# Altium PCB precursor_pvt2b.PcbDoc (part 7 of 7) (continued)
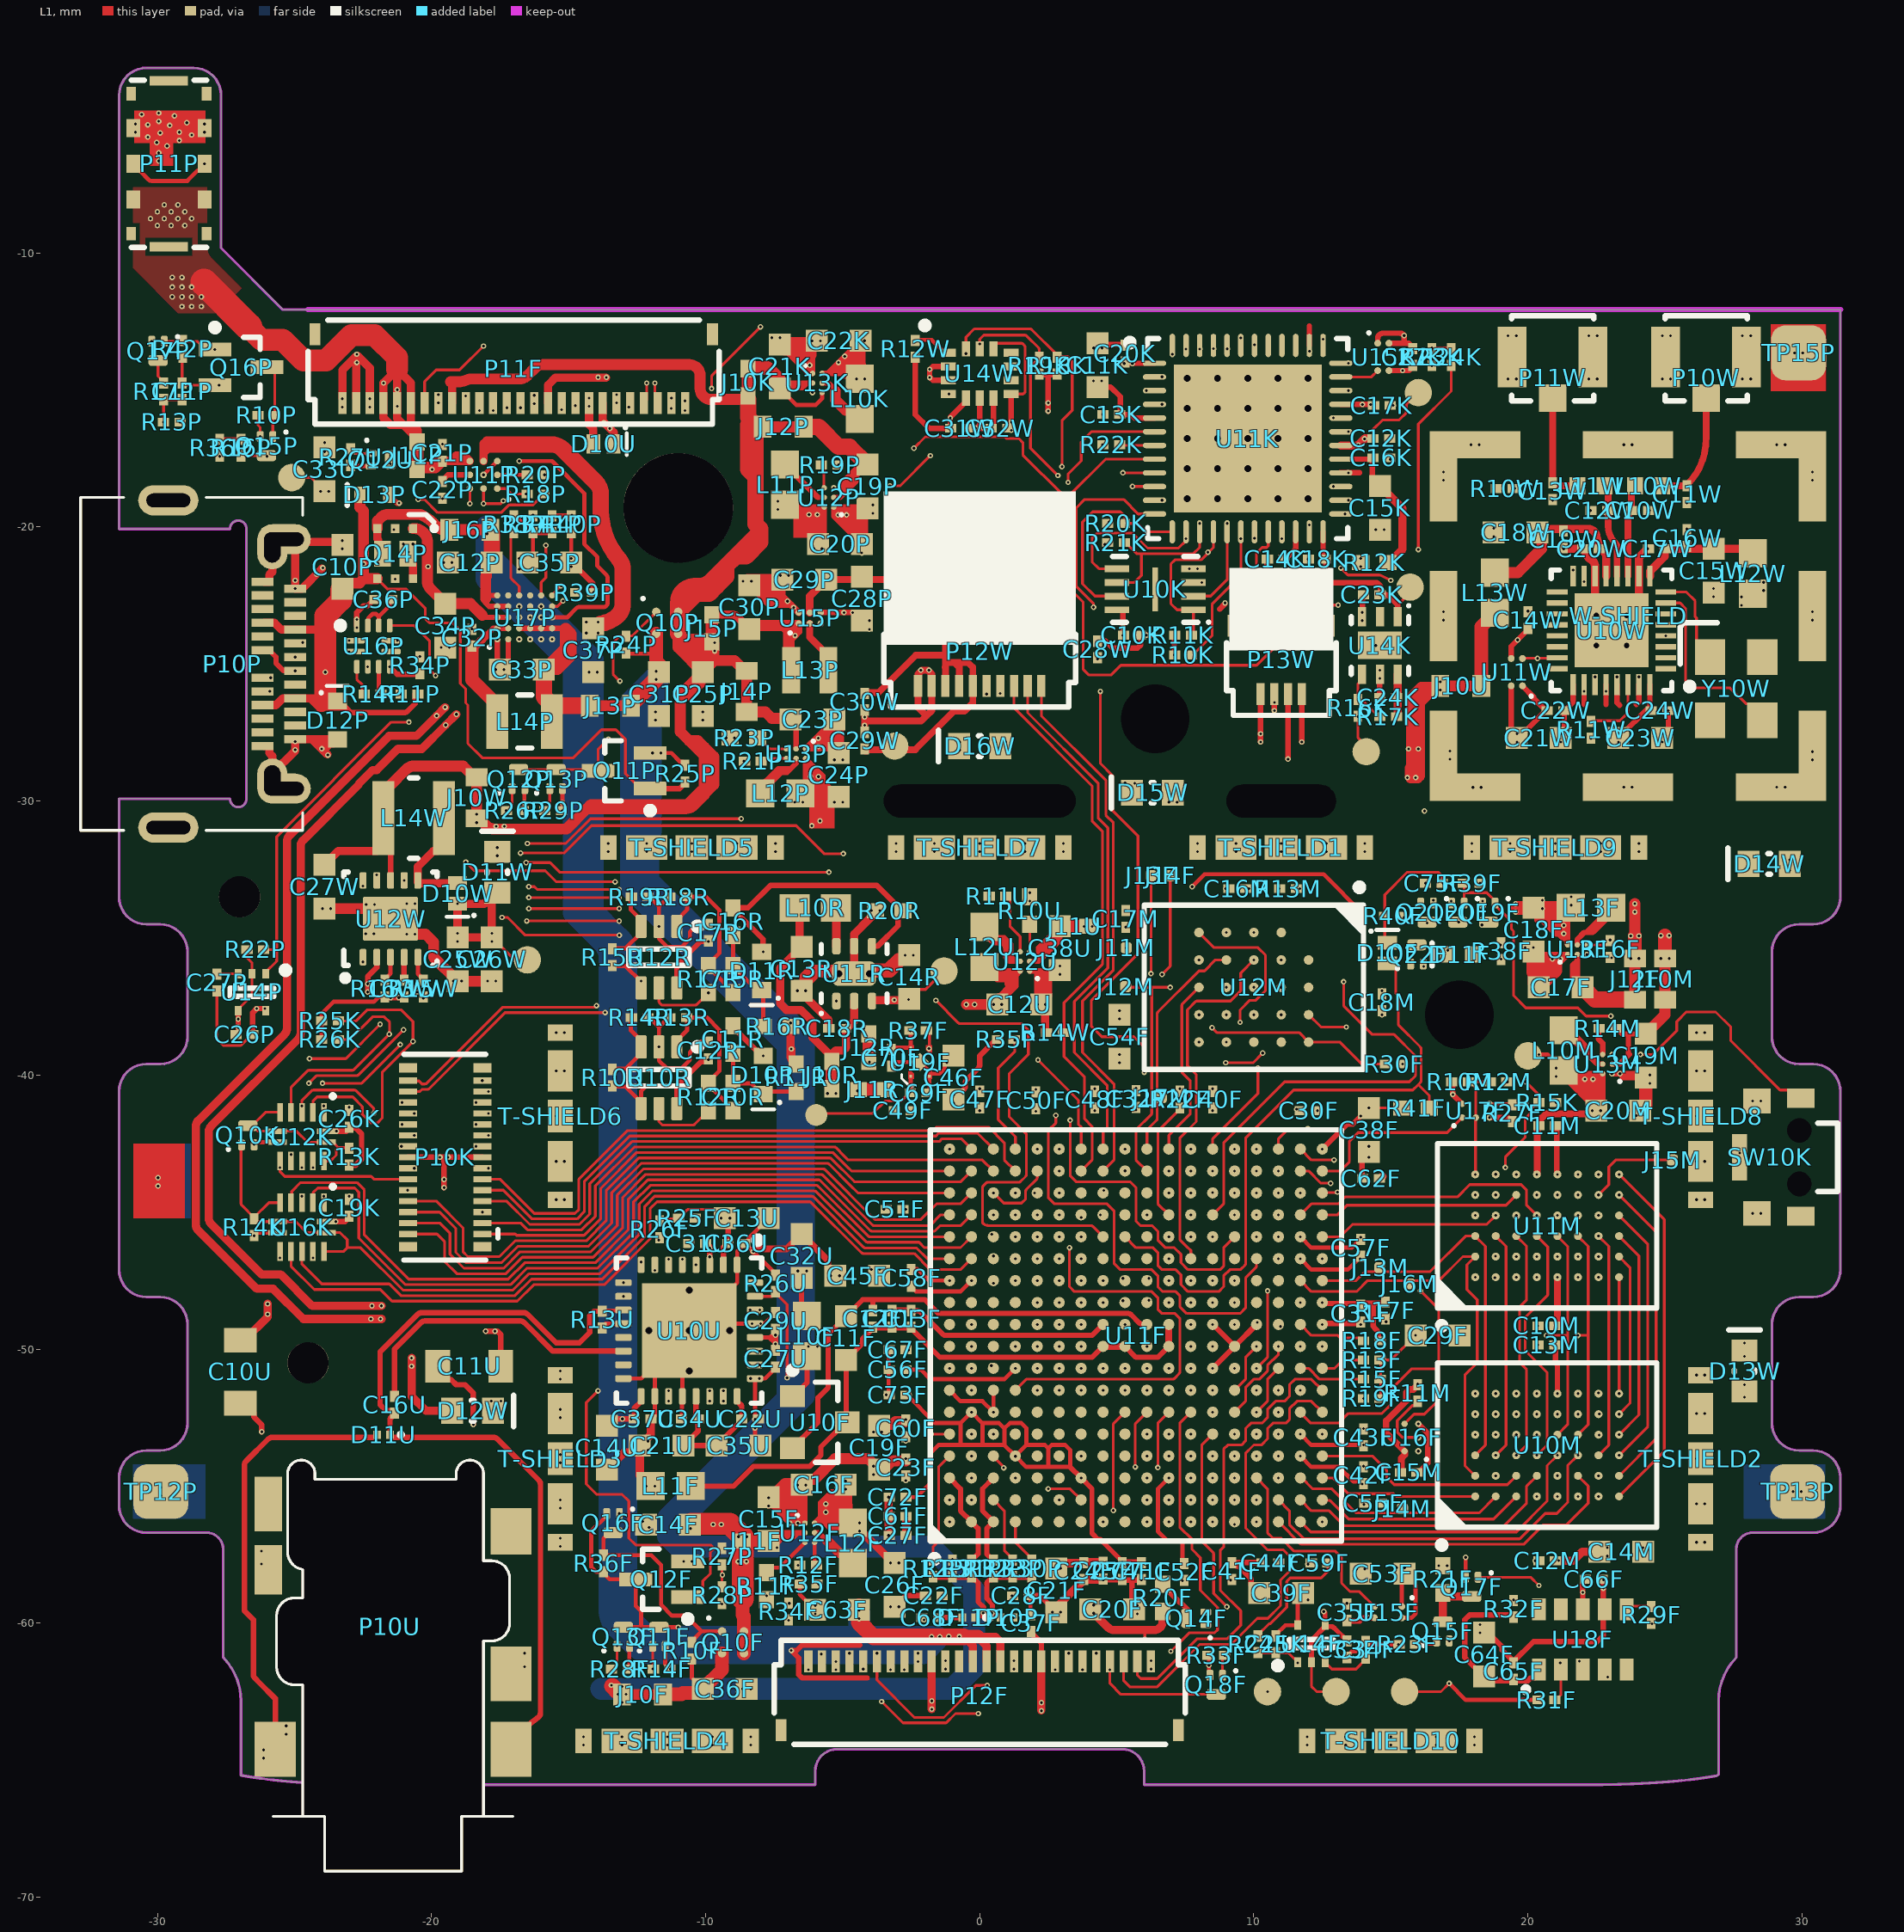
[diagram p0: L1 view]
## Polygon pours and split planes (outlines as drawn) (continued)
P0.95V_T on L6 (split plane): 9.198,-47.717 9.198,-48.2 9.206,-48.239 9.228,-48.272 9.328,-48.372 9.361,-48.394 9.4,-48.402 9.858,-48.402 9.998,-48.542 9.998,-48.858 9.578,-49.278 9.556,-49.311 9.548,-49.35 9.548,-51.733 9.058,-52.223 8.65,-52.223 8.611,-52.231 8.578,-52.253 6.833,-53.998 3.3,-53.998 3.261,-54.006 3.228,-54.028 2.828,-54.428 2.806,-54.461 2.798,-54.5 2.798,-56 2.806,-56.039 2.828,-56.072 4.123,-57.367 4.123,-58.5 4.123,-58.825 4.131,-58.864 4.153,-58.897 4.473,-59.217 4.473,-59.708 4.358,-59.823 3.617,-59.823 3.147,-59.353 3.114,-59.331 3.075,-59.323 -3.933,-59.323 -5.948,-57.308 -5.948,-54.692 -3.558,-52.302 -2.342,-52.302 -1.472,-53.172 -1.439,-53.194 -1.4,-53.202 0.1,-53.202 0.139,-53.194 0.172,-53.172 1.372,-51.972 1.394,-51.939 1.402,-51.9 1.402,-47.792 1.617,-47.577 9.058,-47.577
P1.2V on L6 (split plane): 12.898,-12.342 12.898,-15.3 12.906,-15.339 12.928,-15.372 13.828,-16.272 13.861,-16.294 13.9,-16.302 14.908,-16.302 15.298,-16.692 15.298,-21.058 14.658,-21.698 13.842,-21.698 13.402,-21.258 13.402,-18.5 13.394,-18.461 13.372,-18.428 12.472,-17.528 12.439,-17.506 12.4,-17.498 6.842,-17.498 4.397,-15.053 4.364,-15.031 4.325,-15.023 -1.425,-15.023 -1.464,-15.031 -1.497,-15.053 -3.242,-16.798 -6.058,-16.798 -6.998,-15.858 -6.998,-12.322 12.878,-12.322
P1.8V_SBY on L6 (split plane): 24.798,-39.4 24.798,-57.358 24.108,-58.048 20.192,-58.048 17.833,-55.689 15.352,-53.208 15.352,-51.067 16.822,-49.597 16.844,-49.564 16.852,-49.525 16.852,-42.6 16.852,-40.492 17.042,-40.302 18.8,-40.302 18.839,-40.294 18.872,-40.272 20.942,-38.202 24.798,-38.202
GND on L3 (split plane): 1334 vertices, not listed, extent -31.149,-65.648 31.149,-3.501

## Keep-outs
Keep-Out Layer:
  lines w0.1: -31.4,-4.25 -31.4,-12.05 -31.4,-20.075 -27.35,-20.075 ; -31.397,-4.25 cw(c-30.397,-4.25) -30.397,-3.25 -28.675,-3.25 ; -30.4,-53.7 ccw(c-30.4,-54.7) -31.4,-54.7 -31.4,-55.7 ccw(c-30.4,-55.7) -30.4,-56.7 -28.2,-56.7 cw(c-28.2,-57.3) -27.6,-57.3 -27.6,-61.248 cw(c-29.25,-62.85) -26.95,-62.85 ; -30.4,-53.7 -29.9,-53.7 ; -30.4,-39.602 -29.905,-39.602 -29.903,-39.6 ; -30.4,-39.6 ccw(c-30.4,-40.6) -31.4,-40.6 -31.4,-47.1 ccw(c-30.4,-47.1) -30.4,-48.1 -29.9,-48.1 cw(c-29.9,-49.1) -28.9,-49.1 -28.9,-52.7 cw(c-29.9,-52.7) -29.9,-53.7 ; -30.4,-34.5 cw(c-30.4,-33.5) -31.4,-33.5 -31.4,-29.915 -27.35,-29.915 ; -30.4,-34.5 -29.9,-34.5 ; -29.9,-39.6 ccw(c-29.9,-38.6) -28.9,-38.6 -28.9,-35.5 ccw(c-29.9,-35.5) -29.9,-34.5 ; -28.675,-3.251 cw(c-28.675,-4.251) -27.675,-4.251 -27.675,-9.825 -25.43,-12.07 -24.5,-12.07 ; -27.35,-29.923 ccw(c-27.05,-29.923) -26.75,-29.923 ; -27.35,-20.067 cw(c-27.05,-20.067) -26.75,-20.067 ; -26.95,-62.846 -26.95,-65.563 -26.895,-65.563 -26.89,-65.564 -26.885,-65.565 -26.88,-65.566 -26.875,-65.567 -26.87,-65.568 -26.865,-65.568 -26.861,-65.569 -26.856,-65.57 -26.851,-65.571 -26.846,-65.572 -26.841,-65.573 -26.836,-65.573 -26.831,-65.574 -26.826,-65.575 -26.821,-65.576 -26.816,-65.577 -26.812,-65.578 -26.807,-65.578 -26.802,-65.579 -26.797,-65.58 -26.792,-65.581 -26.787,-65.582 -26.782,-65.583 -26.777,-65.583 -26.772,-65.584 -26.767,-65.585 -26.763,-65.586 -26.758,-65.587 -26.753,-65.588 -26.748,-65.588 -26.743,-65.589 -26.738,-65.59 -26.733,-65.591 -26.728,-65.592 -26.723,-65.593 -26.719,-65.593 -26.714,-65.594 -26.709,-65.595 -26.704,-65.596 -26.699,-65.597 -26.694,-65.597 -26.689,-65.598 -26.684,-65.599 -26.679,-65.6 -26.674,-65.601 -26.67,-65.602 -26.665,-65.602 -26.66,-65.603 -26.655,-65.604 -26.65,-65.605 -26.645,-65.606 -26.64,-65.606 -26.635,-65.607 -26.63,-65.608 -26.625,-65.609 -26.62,-65.61 -26.616,-65.61 -26.611,-65.611 -26.606,-65.612 -26.601,-65.613 -26.596,-65.614 -26.591,-65.614 -26.586,-65.615 -26.581,-65.616 -26.576,-65.617 -26.571,-65.617 -26.567,-65.618 -26.562,-65.619 -26.557,-65.62 -26.552,-65.621 -26.532,-65.624 -26.522,-65.625 -26.513,-65.627 -26.503,-65.628 -26.493,-65.63 -26.483,-65.631 -26.473,-65.633 -26.463,-65.634 -26.454,-65.636 -26.444,-65.637 -26.434,-65.639 -26.424,-65.64 -26.414,-65.641 -26.404,-65.643 -26.395,-65.644 -26.385,-65.646 -26.375,-65.647 -26.365,-65.649 -26.355,-65.65 -26.345,-65.651 -26.336,-65.653 -26.326,-65.654 -26.316,-65.656 -26.306,-65.657 -26.296,-65.658 -26.286,-65.66 -26.277,-65.661 -26.267,-65.662 -26.257,-65.664 -26.247,-65.665 -26.237,-65.666 -26.227,-65.668 -26.217,-65.669 -26.208,-65.67 -26.198,-65.672 -26.188,-65.673 -26.178,-65.674 -25.991,-65.698 -25.774,-65.724 -25.744,-65.727 -25.714,-65.73 -25.685,-65.733 -25.655,-65.736 -25.626,-65.74 -25.596,-65.743 -25.571,-65.745 -25.546,-65.748 -25.522,-65.75 -25.497,-65.753 -25.472,-65.755 -25.448,-65.757 -25.423,-65.76 -25.398,-65.762 -25.373,-65.765 -25.334,-65.768 -25.294,-65.772 -25.255,-65.775 -25.215,-65.779 -25.176,-65.782 -25.136,-65.786 -25.096,-65.789 -25.057,-65.792 -25.017,-65.795 -24.977,-65.799 -24.938,-65.802 -24.898,-65.805 -24.859,-65.808 -24.819,-65.811 -24.779,-65.813 -24.74,-65.816 -24.7,-65.819 ; -26.75,-29.915 -26.75,-24.995 -26.75,-20.075 ; -18.1,-65.9 -6,-65.9 -6,-65.4 cw(c-5.2,-65.4) -5.2,-64.6 5.2,-64.6 cw(c5.2,-65.4) 6,-65.4 6,-65.9 22,-65.9 22.01,-65.9 22.015,-65.9 22.02,-65.9 22.025,-65.9 22.03,-65.9 22.035,-65.9 22.04,-65.9 22.045,-65.9 22.05,-65.9 22.055,-65.9 22.06,-65.9 22.065,-65.9 22.07,-65.9 22.075,-65.9 22.079,-65.9 22.084,-65.9 22.089,-65.9 22.094,-65.9 22.099,-65.9 22.104,-65.9 22.109,-65.9 22.114,-65.9 22.119,-65.9 22.124,-65.9 22.129,-65.899 22.134,-65.899 22.139,-65.899 22.144,-65.899 22.149,-65.899 22.154,-65.899 22.159,-65.899 22.164,-65.899 22.169,-65.899 22.174,-65.899 22.179,-65.899 22.184,-65.899 22.189,-65.899 22.194,-65.899 22.199,-65.899 22.204,-65.899 22.209,-65.899 22.214,-65.899 22.219,-65.899 22.224,-65.899 22.229,-65.899 22.233,-65.899 22.238,-65.899 22.243,-65.899 22.248,-65.899 22.253,-65.899 22.258,-65.899 22.263,-65.899 22.268,-65.899 22.273,-65.899 22.278,-65.899 22.283,-65.899 22.288,-65.899 22.293,-65.899 22.298,-65.899 22.303,-65.899 22.308,-65.899 22.313,-65.899 22.318,-65.899 22.323,-65.899 22.328,-65.899 22.333,-65.898 22.338,-65.898 22.343,-65.898 22.348,-65.898 22.353,-65.898 22.358,-65.898 22.363,-65.898 22.368,-65.898 22.373,-65.898 22.378,-65.898 22.383,-65.898 22.387,-65.898 22.392,-65.898 22.397,-65.898 22.402,-65.898 22.407,-65.898 22.412,-65.898 22.417,-65.898 22.422,-65.898 22.427,-65.898 22.432,-65.898 22.437,-65.898 22.442,-65.898 22.447,-65.898 22.452,-65.898 22.457,-65.898 22.462,-65.898 22.467,-65.898 22.472,-65.898 22.477,-65.897 22.482,-65.897 22.487,-65.897 22.492,-65.897 22.497,-65.897 22.502,-65.897 22.512,-65.897 22.522,-65.897 22.532,-65.897 22.541,-65.897 22.551,-65.897 22.561,-65.897 22.571,-65.897 22.581,-65.897 22.591,-65.896 22.601,-65.896 22.611,-65.896 22.621,-65.896 22.631,-65.896 22.641,-65.896 22.651,-65.896 22.661,-65.896 22.671,-65.896 22.681,-65.895 22.691,-65.895 22.7,-65.895 22.71,-65.895 22.72,-65.895 22.73,-65.895 22.74,-65.895 22.849,-65.893 22.914,-65.892 22.979,-65.891 23.043,-65.889 23.103,-65.888 23.162,-65.887 23.222,-65.885 23.282,-65.884 23.341,-65.882 23.401,-65.88 23.505,-65.877 23.535,-65.876 23.565,-65.875 23.594,-65.874 23.624,-65.873 23.654,-65.872 23.684,-65.871 23.714,-65.87 23.743,-65.869 23.773,-65.867 23.803,-65.866 23.833,-65.865 23.862,-65.864 23.892,-65.863 23.927,-65.861 23.962,-65.86 23.996,-65.858 24.031,-65.857 24.066,-65.855 24.101,-65.853 24.135,-65.852 24.18,-65.849 24.225,-65.847 24.269,-65.845 24.319,-65.842 24.369,-65.839 24.418,-65.836 24.468,-65.834 24.517,-65.831 24.567,-65.828 24.617,-65.824 24.666,-65.821 24.716,-65.818 24.765,-65.815 24.79,-65.813 24.82,-65.811 24.849,-65.809 24.879,-65.806 24.909,-65.804 24.939,-65.802 24.968,-65.8 24.998,-65.798 25.028,-65.795 25.058,-65.793 25.087,-65.791 25.117,-65.788 25.147,-65.786 25.176,-65.783 25.206,-65.781 25.236,-65.778 25.265,-65.776 25.295,-65.773 25.33,-65.77 25.364,-65.767 25.483,-65.755 25.607,-65.743 25.73,-65.73 25.854,-65.717 25.933,-65.708 25.943,-65.706 25.952,-65.705 25.962,-65.704 25.972,-65.703 25.982,-65.702 25.992,-65.701 26.002,-65.699 26.012,-65.698 26.021,-65.697 26.031,-65.696 26.041,-65.695 26.051,-65.693 26.061,-65.692 26.071,-65.691 26.081,-65.69 26.09,-65.689 26.1,-65.687 26.11,-65.686 26.12,-65.685 26.13,-65.684 26.14,-65.682 26.15,-65.681 26.159,-65.68 26.169,-65.679 26.179,-65.677 26.189,-65.676 26.199,-65.675 26.209,-65.673 26.219,-65.672 26.228,-65.671 26.238,-65.67 26.253,-65.668 26.268,-65.666 26.283,-65.664 26.297,-65.662 26.312,-65.66 26.327,-65.657 26.342,-65.655 26.356,-65.653 26.371,-65.651 26.386,-65.649 26.401,-65.647 26.415,-65.645 26.43,-65.643 26.445,-65.641 26.469,-65.637 26.474,-65.636 26.479,-65.635 26.484,-65.635 26.489,-65.634 26.494,-65.633 26.499,-65.632 26.504,-65.632 26.509,-65.631 26.514,-65.63 26.519,-65.629 26.524,-65.629 26.528,-65.628 26.533,-65.627 26.538,-65.626 26.543,-65.626 26.548,-65.625 26.553,-65.624 26.558,-65.623 26.563,-65.623 26.568,-65.622 26.573,-65.621 26.577,-65.62 26.582,-65.619 26.587,-65.619 26.592,-65.618 26.597,-65.617 26.602,-65.616 26.607,-65.616 26.612,-65.615 26.617,-65.614 26.622,-65.613 26.627,-65.612 26.631,-65.612 26.636,-65.611 26.641,-65.61 26.646,-65.609 26.651,-65.608 26.656,-65.608 26.661,-65.607 26.666,-65.606 26.671,-65.605 26.676,-65.604 26.68,-65.604 26.685,-65.603 26.69,-65.602 26.695,-65.601 26.7,-65.6 26.705,-65.6 26.71,-65.599 26.715,-65.598 26.72,-65.597 26.725,-65.596 26.73,-65.596 26.734,-65.595 26.739,-65.594 26.744,-65.593 26.749,-65.592 26.754,-65.592 26.759,-65.591 26.764,-65.59 26.769,-65.589 26.774,-65.588 26.779,-65.588 26.783,-65.587 26.788,-65.586 26.793,-65.585 26.798,-65.584 26.803,-65.583 26.808,-65.583 26.813,-65.582 26.818,-65.581 26.823,-65.58 26.828,-65.579 26.832,-65.578 26.837,-65.578 26.842,-65.577 26.847,-65.576 26.852,-65.575 26.857,-65.574 26.862,-65.574 26.867,-65.573 26.872,-65.572 26.877,-65.571 26.954,-65.533 26.954,-62.837 cw(c29.25,-62.85) 27.594,-61.259 ; 27.6,-61.259 27.6,-57.3 cw(c28.2,-57.3) 28.2,-56.7 30.4,-56.7 ccw(c30.4,-55.7) 31.4,-55.7 31.4,-54.7 ccw(c30.4,-54.7) 30.4,-53.7 ; 29.9,-53.7 cw(c29.9,-52.7) 28.9,-52.7 28.9,-49.1 cw(c29.9,-49.1) 29.9,-48.1 30.4,-48.1 ccw(c30.4,-47.1) 31.4,-47.1 31.4,-40.6 ccw(c30.4,-40.6) 30.4,-39.6 29.9,-39.6 cw(c29.9,-38.6) 28.9,-38.6 28.9,-35.5 cw(c29.9,-35.5) 29.9,-34.5 ; 29.9,-53.7 30.4,-53.7 ; 29.9,-34.5 30.4,-34.5 ; 30.4,-34.5 ccw(c30.4,-33.5) 31.4,-33.5 31.4,-12.07
  lines w0.2: -24.5,-12.07 31.4,-12.07

## Other copper
L1:
  rectangle net GND: -30.275,-6.825 -29.425,-5.65
  rectangle net GND: -30.85,-6 -28.25,-4.8
  rectangle net GND: 2.089,-37.15 2.65,-36.2
  rectangle net P3.3V: -6.22,-31 -5.3,-29.9
  rectangle net GND: -30.875,-45.225 -29,-42.5
  rectangle net GND: 28.85,-15.05 30.875,-12.6
  rectangle net GND: -5.736,-28.1 -4.95,-27.345
  rectangle net P3.3V: -6.175,-30.05 -5.512,-29.356
  rectangle net GND: -4.725,-20.25 -4.075,-19.45
  rectangle net GND: -5.1,-19.925 -4.075,-19.45
  rectangle net P1.8V: -6.792,-20.4 -5.675,-19.275
  rectangle net P1.8V_SBY: 22.025,-40.869 22.679,-39.95
  rectangle net GND: 20.325,-36.479 21.064,-35.775
L2:
  rectangle net GND: -29.075,-5.85 -28.225,-5.05
  rectangle net GND: -30.85,-6.725 -28.875,-4.775
L8:
  rectangle net GND: -30.875,-45.225 -28.775,-42.5
  rectangle net GND: 28.875,-15.05 30.875,-12.6
  rectangle net GND: -30.9,-56.2 -28.25,-54.2
  rectangle net GND: 27.875,-56.2 30.85,-54.2
L6 (plane layer: these items are gaps in the copper):
  lines w0.2: -15.05,-42.978 -18.903,-42.978 -21.8,-45.875 -23.525,-45.875 -23.95,-45.45 -23.95,-42.4 -23.95,-33.731 -23,-32.781 -23,-19.654 -23.529,-19.125 -24.3,-19.125 -24.4,-19.025 -24.4,-18.425 -24.175,-18.2 -22.65,-18.2 -21.05,-16.6 -18.925,-16.6 -16.775,-14.45 -14.6,-14.45 -13.225,-15.825 -13.225,-16.675 -15.05,-18.5 -20.525,-18.5 ; -13.375,-52.765 -13.375,-53.1 ; -7.6,-34.9 0.4,-34.9 4.08,-34.9 4.1,-34.9 ; -7.1,-12.1 -7.1,-15.9 -6.1,-16.9 -3.2,-16.9 -1.425,-15.125 4.325,-15.125 6.8,-17.6 12.4,-17.6 13.3,-18.5 13.3,-21.3 13.8,-21.8 14.7,-21.8 15.4,-21.1 15.4,-16.65 14.95,-16.2 13.9,-16.2 13,-15.3 13,-12.3 12.8,-12.1 ; -2.9,-34.9 -9.172,-34.9 -9.522,-34.55 -10.5,-34.55 -10.85,-34.9 -12.8,-36.85 -15.05,-39.1 -15.05,-61.15 -13.6,-62.6 20.9,-62.6 22,-61.5 22,-58.15 ; -2.337,-46.725 -2.212,-46.6 -0.525,-46.6 0.625,-45.45 2.69,-45.45 3.34,-44.8 4.7,-44.8 5.825,-43.675 5.825,-42.25 5.425,-41.85 4.5,-40.925 4.5,-37.95 3.45,-36.9 -0.475,-36.9 -0.875,-37.3 -0.875,-39.525 -1.25,-39.9 -2.9,-39.9 -3.8,-40.8 -7.2,-44.2 -9.3,-44.2 -9.775,-44.675 -9.775,-45.725 -8.625,-46.875 -8.625,-50.4 -10.125,-51.9 -12.898,-51.9 -13.375,-52.377 -13.375,-53.1 ; -2.332,-46.725 -2.341,-46.725 -3,-47.383 -3,-48.5 -3,-50.3 -2.6,-50.7 -0.8,-50.7 0.827,-52.327 ; 4.09,-34.9 4.7,-34.9 6.785,-32.815 14.085,-32.815 17.4,-29.5 17.4,-25.3 17.1,-25 16.4,-25 15.9,-25.5 15.9,-27.2 12.4,-30.7 5.6,-30.7 3.9,-32.4 -3.2,-32.4 -4.4,-31.2 -4.4,-28.5 -5.4,-27.5 -6.8,-27.5 -7.7,-28.4 -7.7,-32.2 -8.218,-32.718 -12.918,-32.718 -18,-37.8 -20.2,-37.8 -20.9,-37.1 -20.9,-18.875 ; 4.94,-54.1 4.94,-55.44 6.5,-57 6.5,-59.8 5.45,-60.85 5,-61.3 2.656,-61.3 2.206,-60.85 -5.253,-60.85 -9.003,-57.1 -9.003,-55.747 -10.725,-54.025 -12.45,-54.025 -13.375,-53.1 ; 15.85,-31.05 15.2,-31.7 15.6,-32.1 23.3,-32.1 24.9,-33.7 24.9,-39.4 ; -20.9,-18.875 -20.525,-18.5 ; -20.9,-18.875 -20.525,-18.5 ; -6.05,-57.35 -3.975,-59.425 3.075,-59.425 3.575,-59.925 4.4,-59.925 4.575,-59.75 4.575,-59.175 4.225,-58.825 4.225,-58.5 4.225,-57.325 2.9,-56 2.9,-54.5 3.3,-54.1 6.875,-54.1 8.65,-52.325 9.1,-52.325 9.65,-51.775 9.65,-49.35 10.1,-48.9 10.1,-48.5 9.9,-48.3 9.4,-48.3 9.3,-48.2 9.3,-47.675 9.1,-47.475 1.575,-47.475 1.3,-47.75 1.3,-51.9 0.1,-53.1 -1.4,-53.1 -2.3,-52.2 -3.6,-52.2 -6.05,-54.65 -6.05,-57.35 ; 15.25,-53.25 17.761,-55.761 20.15,-58.15 24.15,-58.15 24.9,-57.4 24.9,-38.1 20.9,-38.1 18.8,-40.2 17,-40.2 16.75,-40.45 16.75,-42.6 16.75,-49.525 15.25,-51.025 15.25,-53.25

## Silkscreen, mask and mechanical layers (free items; w line width, h text height)
TopOverlay:
  rectangle: 9.1,-24.5 12.9,-21.5
  rectangle: -3.5,-24.3 3.5,-18.7
BottomOverlay:
  drawing of 11 lines, arcs and shapes, not listed
  text "CERN OHL L" at 26.55,-21.75 h1.8
  text "PVT2B" at 22.232,-53.38 h1.8
  text "bunnie" at 6.3,-53.4 h1.8
  text "08/21" at 14.675,-53.4 h1.8
  text "https://precursor.dev" at 18.625,-55.05 h1.5
  text "barcode" at 15,-57.875 h1.5
TopSolder:
  rectangle: 8.625,-23.125 8.875,-22.875
  rectangle: 5.45,-18.65 5.7,-18.4
  rectangle: 5.075,-18.15 5.35,-17.9
  rectangle: 10.175,-23.225 10.45,-22.975
  rectangle: 11.9,-12.75 12.15,-12.5
  rectangle: 23.19,-26.652 23.49,-26.427
  rectangle: 23.8,-26.6 24.075,-26.35
  region: 14.009,-18.177 14.009,-17.877 13.784,-17.877 13.784,-18.177
  rectangle: 22.7,-26.625 23,-26.4
  rectangle: 21.9,-26.625 22.2,-26.4
  rectangle: -31.275,-45.5 -28.95,-42.275
  rectangle: 28.825,-15.15 31.525,-11.95
  rectangle: -31.295,-56.829 -29.2,-53.604
  rectangle: 29.225,-56.85 31.5,-53.625
BottomSolder:
  rectangle: -31.25,-45.5 -28.725,-42.275
  rectangle: 28.825,-15.175 31.5,-11.95
  rectangle: -31.27,-56.829 -28.85,-53.604
  rectangle: 28.925,-56.85 31.475,-53.625
Mechanical 1:
  drawing of 556 lines, arcs and shapes, not listed
Fab drawing:
  drawing of 453 lines, arcs and shapes, not listed
  text "Panelize: 2-up, back-to-back rotated" at -49.5,25.644 h6
  text "Please send panelized gerber for panelization review before fabrication, thanks!" at 46.5,21.95 h3
  text "Layer" at 50.472,13.521 h1
  text "Name" at 57.479,13.521 h1
  text "Material" at 72.15,13.521 h1
  text "Thickness" at 82.322,13.521 h1
  text "Constant" at 93.327,13.521 h1
  text "Gerber" at 103,13.521 h1
  text "Board Layer Stack" at 111.006,13.521 h1
  text "TopOverlay" at 57.479,11.521 h1
  text "GTO" at 103,11.521 h1
  text "TopSolder" at 57.479,9.521 h1
  text "SM-001" at 72.15,9.521 h1
  text "0.025mm" at 82.322,9.521 h1
  text "4.2" at 93.327,9.521 h1
  text "GTS" at 103,9.521 h1
  text "Second copy of PCB" at -15.4,8.549 h3
  text "1" at 50.472,7.521 h1
  text "L1" at 57.479,7.521 h1
  text "CF-003" at 72.15,7.521 h1
  text "0.036mm" at 82.322,7.521 h1
  text "GTL" at 103,7.521 h1
  text "Signal" at 42.55,7.15 h1
  text "0.018mm + 0.018mm plating" at 129.45,7 h1
  text "here for panel, rotate" at -15.4,5.649 h3
  text "Dielectric1" at 57.479,5.521 h1
  text "PP-006" at 72.15,5.521 h1
  text "0.071mm" at 82.322,5.521 h1
  text "3.8" at 93.327,5.521 h1
  text "2" at 50.472,3.521 h1
  text "L2" at 57.479,3.521 h1
  text "CF-003" at 72.15,3.521 h1
  text "0.036mm" at 82.322,3.521 h1
  text "G1" at 103,3.521 h1
  text "Signal" at 42.55,3.15 h1
  text "0.018mm + 0.018mm plating" at 129.425,3.1 h1
  text "180 degrees" at -15.4,2.811 h3
  text "Dielectric 4" at 57.479,1.521 h1
  text "PP-006" at 72.15,1.521 h1
  text "0.071mm" at 82.322,1.521 h1
  text "3.8" at 93.327,1.521 h1
  text "(back-to-back)" at -15.4,-0.089 h3
  text "3" at 50.472,-0.479 h1
  text "L3" at 57.479,-0.479 h1
  text "CF-004" at 72.15,-0.479 h1
  text "0.018mm" at 82.322,-0.479 h1
  text "GP1" at 103,-0.479 h1
  text "Plane" at 42.55,-0.85 h1
  text "Dielectric2" at 57.479,-2.479 h1
  text "Core-027" at 72.15,-2.479 h1
  text "0.229mm" at 82.322,-2.479 h1
  text "4.5" at 93.327,-2.479 h1
  text "4" at 50.472,-4.479 h1
  text "L6" at 57.479,-4.479 h1
  text "CF-004" at 72.15,-4.479 h1
  text "0.018mm" at 82.322,-4.479 h1
  text "GP2" at 103,-4.479 h1
  text "Plane" at 42.4,-4.975 h1
  text "SE 50 ohm - 0.243mm - L1 only" at 2.2,-5 h1
  text "**Impedance control**" at 2,-5.619 h1.5
  text "Dielectric3" at 57.479,-6.479 h1
  text "PP-006" at 72.15,-6.479 h1
  text "0.071mm" at 82.322,-6.479 h1
  text "3.8" at 93.327,-6.479 h1
  text "Notch in panel rail" at -79.4,-7.719 h3
  text "5" at 50.472,-8.479 h1
  text "L7" at 57.479,-8.479 h1
  text "CF-003" at 72.15,-8.479 h1
  text "0.036mm" at 82.322,-8.479 h1
  text "G2" at 103,-8.479 h1
  text "0.018mm + 0.018mm plating" at 129.35,-8.9 h1
  text "Signal" at 42.4,-8.975 h1
  text "Dielectric 5" at 57.479,-10.479 h1
  text "PP-006" at 72.15,-10.479 h1
  text "0.071mm" at 82.322,-10.479 h1
  text "3.8" at 93.327,-10.479 h1
  text "required for connector" at -79.4,-10.583 h3
  text "6" at 50.472,-12.479 h1
  text "L8" at 57.479,-12.479 h1
  text "CF-003" at 72.15,-12.479 h1
  text "0.036mm" at 82.322,-12.479 h1
  text "GBL" at 103,-12.479 h1
  text "Signal" at 42.4,-12.975 h1
  text "0.018mm + 0.018mm plating" at 129.45,-13 h1
  text "clearance (>1mm" at -79.4,-13.446 h3
  text "BottomSolder" at 57.479,-14.479 h1
  text "SM-001" at 72.15,-14.479 h1
  text "0.025mm" at 82.322,-14.479 h1
  text "4.2" at 93.327,-14.479 h1
  text "GBS" at 103,-14.479 h1
  text "clearance ring)" at -79.4,-16.346 h3
  text "BottomOverlay" at 57.479,-16.479 h1
  text "GBO" at 103,-16.479 h1
  text "Thickness: 0.75mm +/- 0.1mm finished" at 50.35,-19.42 h1
  text "Soldermask: green / Silk: white, Finish: ENIG 1-3u\"" at 50.6,-23.77 h1
  text "Impedance control on L1 and L2 only as noted, to +/- 10%" at 50.4,-28.5 h1
  text "**Impedance control**" at -79.5,-37.119 h1.5
  text "Diff 90 ohm - L2 0.102mm" at -79.5,-40.119 h1.5
  text "V-score to PCB edge" at -76.3,-51.9 h3
  text "Adjust rail width as" at 53,-52.019 h3
  text "necessary, add" at 53,-54.887 h3
  text "standard fiduciaries" at 53,-57.787 h3
  text "and tooling holes" at 53,-60.646 h3
  text "Diff 90 ohm - L1 0.187mm" at -34.6,-72.2 h1.5
  text "**Impedance control**" at -35,-77.619 h1.5
  text "Rounded corner on SMT rail" at -74.5,-80.351 h3
3D Notes:
  drawing of 369 lines, arcs and shapes, not listed
  text "battery: 60(+2) x 61 wide x 3mm thick (max dim, no tolerance)" at -44.9,-3.3 h0.3
  text "LCD FPC mating line" at -10.5,-6.3 h0.3
  text "3.2mm dia boss flush + screw + washer" at 31.1,-6.4 h0.3
  text "battery connector centerpoint" at -27,-7.755 h0.3
  text "FPC connector entry edge" at -11.1,-8 h0.3
  text "65mm to v1 speakerbox from this line" at -43.3,-8.9 h0.3
  text "2.3mm clearance to LCD" at -7.1,-9.2 h0.3
  text "LCD glass edge (final - need to stretch \"up\" by 2mm))" at -16.1,-11.1 h0.3
  text "LCD glass edge (v1)" at -3,-13.1 h0.3
  text "Keyboard PCB edge" at 21.6,-19.5 h0.3
  text "3.2mm dia boss through to kbd + nut" at -6.7,-19.8 h0.3
  text "Key cap + film" at 98.175,-20.65 h0.3
  text "Pusher (0.2-0.3mm?)" at 98.125,-21.3 h0.3
  text "Key cap edge" at -24.2,-21.8 h0.3
  text "Front bezel" at 86.175,-21.975 h0.3
  text "Key switch" at 98.15,-21.975 h0.3
  text "1.4mm locator peg" at 21.5,-22.7 h0.3
  text "Mid-frame construction" at 47.3,-23.3 h0.3
  text "Combo front/mid-frame unibody" at 68.7,-23.3 h0.3
  text "Kbd PCB (0.8mm) @ 2.5mm conn" at 103.675,-24.57 h0.3
  text "Kbd PCB (1.3mm) @ 2.0mm conn" at 93.975,-24.77 h0.3
  text "Bezel" at 47.4,-24.9 h0.3
  text "Bezel" at 68.6,-24.9 h0.3
  text "Mainboard" at 51.1,-25.8 h0.3
  text "Mainboard" at 72.3,-25.8 h0.3
  text "audio" at 112.8,-26.2 h0.3
  text "USB-C" at 117.3,-26.2 h0.3
  text "3.2mm dia boss to kbd no nut" at 21.4,-26.6 h0.3
  text "kbd conn / (2.0mm)" at 99.7,-26.7 h0.3
  text "kbd conn / (2.5mm)" at 105.1,-26.7 h0.3
  text "3.2mm dia boss flush + screw + washer" at -24.6,-26.8 h0.3
  text "1.5mm clearance to keyboard" at -1.3,-27.1 h0.3
  text "Al side" at 44.8,-27.1 h0.3
  text "Component area / 1.5mm max height" at 53.1,-27.3 h0.3
  text "Al body" at 66,-27.3 h0.3
  text "Component area / 1.5mm max height" at 74.3,-27.3 h0.3
  text "Main PCB (0.8mm)" at 93.3,-28 h0.3
  text "Keyboard" at 51.2,-28.2 h0.3
  text "Keyboard" at 72.4,-28.2 h0.3
  text "Rear aluminum (1.7mm total)" at 94.425,-29.175 h0.3
  text "Bezel" at 47.4,-29.7 h0.3
  text "Keycap" at 51.4,-30 h0.3
  text "Keycap" at 72.6,-30 h0.3
  text "Dome switch" at 56.1,-31 h0.3
  text "Dome switch" at 77.3,-31 h0.3
  text "Standard screw: DIN965 TX M1.4 / Blind hole depth min = 2.8mm (tap to ~2mm)" at 87.825,-34.825 h1
  text "Key cap + film" at 97.375,-37.25 h0.3
  text "Pusher (0.2-0.3mm?)" at 97.325,-37.9 h0.3
  text "Front bezel" at 85.375,-38.575 h0.3
  text "Key switch" at 97.35,-38.575 h0.3
  text "Kbd PCB (1.0mm) @ 3.0mm conn" at 110.8,-41.3 h0.3
  text "Kbd PCB (1.5mm) @ 2.5mm conn" at 101.9,-41.5 h0.3
  text "Kbd PCB (2.0mm) @ 2.0mm conn" at 92.1,-41.7 h0.3
  text "audio" at 116.5,-43.5 h0.3
  text "USB-C / orig" at 121,-43.5 h0.3
  text "USB-C / mid" at 125.8,-43.9 h0.3
  text "kbd conn / (2.0mm)" at 98.9,-44 h0.3
  text "kbd conn / (2.5mm)" at 104.3,-44 h0.3
  text "kbd conn / (3.0mm)" at 111.2,-44 h0.3
  text "Main PCB (0.8mm)" at 92.5,-45.3 h0.3
  text "Rear aluminum (1.0mm total)" at 93.6,-46.1 h0.3
  text "M1.4" at 59.6,-47.1 h1
  text "2.5mm" at 57.7,-51.2 h1
  text "Insert nut" at 67.4,-56.1 h1
  text "3.2mm dia boss through to kbd + nut" at 15.7,-60 h0.3
  text "3.2mm dia boss through to kbd + nut" at -24,-60.1 h0.3
  text "2.1mm" at 57.3,-61.5 h1
  text "3.2mm dia boss flush + screw + washer" at -3.1,-64.5 h0.3
  text "2.5mm" at 40,-66.5 h1
  text "3.8mm" at 59,-67.2 h1
  text "Plastic boss dimenisons" at 67.2,-69.4 h1
Dimensions:
  drawing of 2274 lines, arcs and shapes, not listed
Dims-corrected:
  drawing of 7120 lines, arcs and shapes, not listed
notes:
  circle w0.05: c-6.8,-33.6 r0.25
  circle w0.05: c-9.9,-37 r0.3
  circle w0.05: c-9.908,-41.4 r0.25
  circle w0.05: c-3.9,-40.548 r0.25
  circle w0.05: c-3.9,-38.463 r0.25
  circle w0.05: c-3.9,-34 r0.25
  lines w0.1: -14.2,-41.4 -14.2,-33.6 -3.9,-33.6 -3.9,-41.4 -14.2,-41.4
  text "VSYS_T" at -7.15,-33.308 h0.2
  text "GND" at -3.55,-34.175 h0.2
  text "noise_on0 / (1.8V, use / as output)" at -10.6,-38.525 h0.2
  text "noise0 3.3V" at -3.525,-39.12 h0.2
  text "noise1 3.3v" at -3.525,-41.035 h0.2
  text "noise_on1 (1.8V, use as power)" at -10.175,-43.15 h0.2
PVT2A-outline:
  drawing of 592 lines, arcs and shapes, not listed
Test Points:
  lines w0.1: 25,-15.4 28,-12.3 ; 25,-12.3 27.954,-15.4
  lines w0.2: 25,-15.2 25,-15.4 25.7,-15.4 ; 27.3,-15.4 28,-15.4 28,-15.2
  text "IPEX 90193-002 RF" at 24.275,-12.129 h0.5
  text "1.2V" at 15,-16.7 h0.5
  text "3.3V" at -26,-21.1 h0.5
  text "2.5V" at 15,-23.7 h0.5
  text "5.0V" at -4,-29.7 h0.5
  text "1.8V" at 13.5,-29.7 h0.5
  text "VBL" at -17.15,-37.2 h0.5
  text "VAVA" at -2,-37.7 h0.5
  text "1.8V_SBY" at 18,-40.783 h0.5
  text "V_AES" at -7,-42.783 h0.5
  text "GND" at -30.7,-43.133 h0.5
  text "GND" at 29.175,-54.483 h0.5
  text "0.95V" at 9,-61.783 h0.5
  text "1.8V_T" at 14.5,-61.783 h0.5
  text "3.3VA" at 12,-63.7 h0.5

## Dimensions
5.1,-7.5 to 5.2,-6.2 on 3D Notes
4.3,-11.2 to 5.2,-6.2 on 3D Notes